# Altium PCB CPCIS_PWR_MOD_AC.pcbdoc (part 2 of 2)
Units mm, origin at the board's own origin, x right, y up, seen from the top; angles counter-clockwise.
Board outline 159 x 100 mm, 4 copper layers (Top Layer, Layer 1, Layer 2, Bottom Layer), stack 1.66 mm thick; 134 components, 89 nets, 446 pads, 0 vias.
Unrouted connection lines stored in the file: 213.
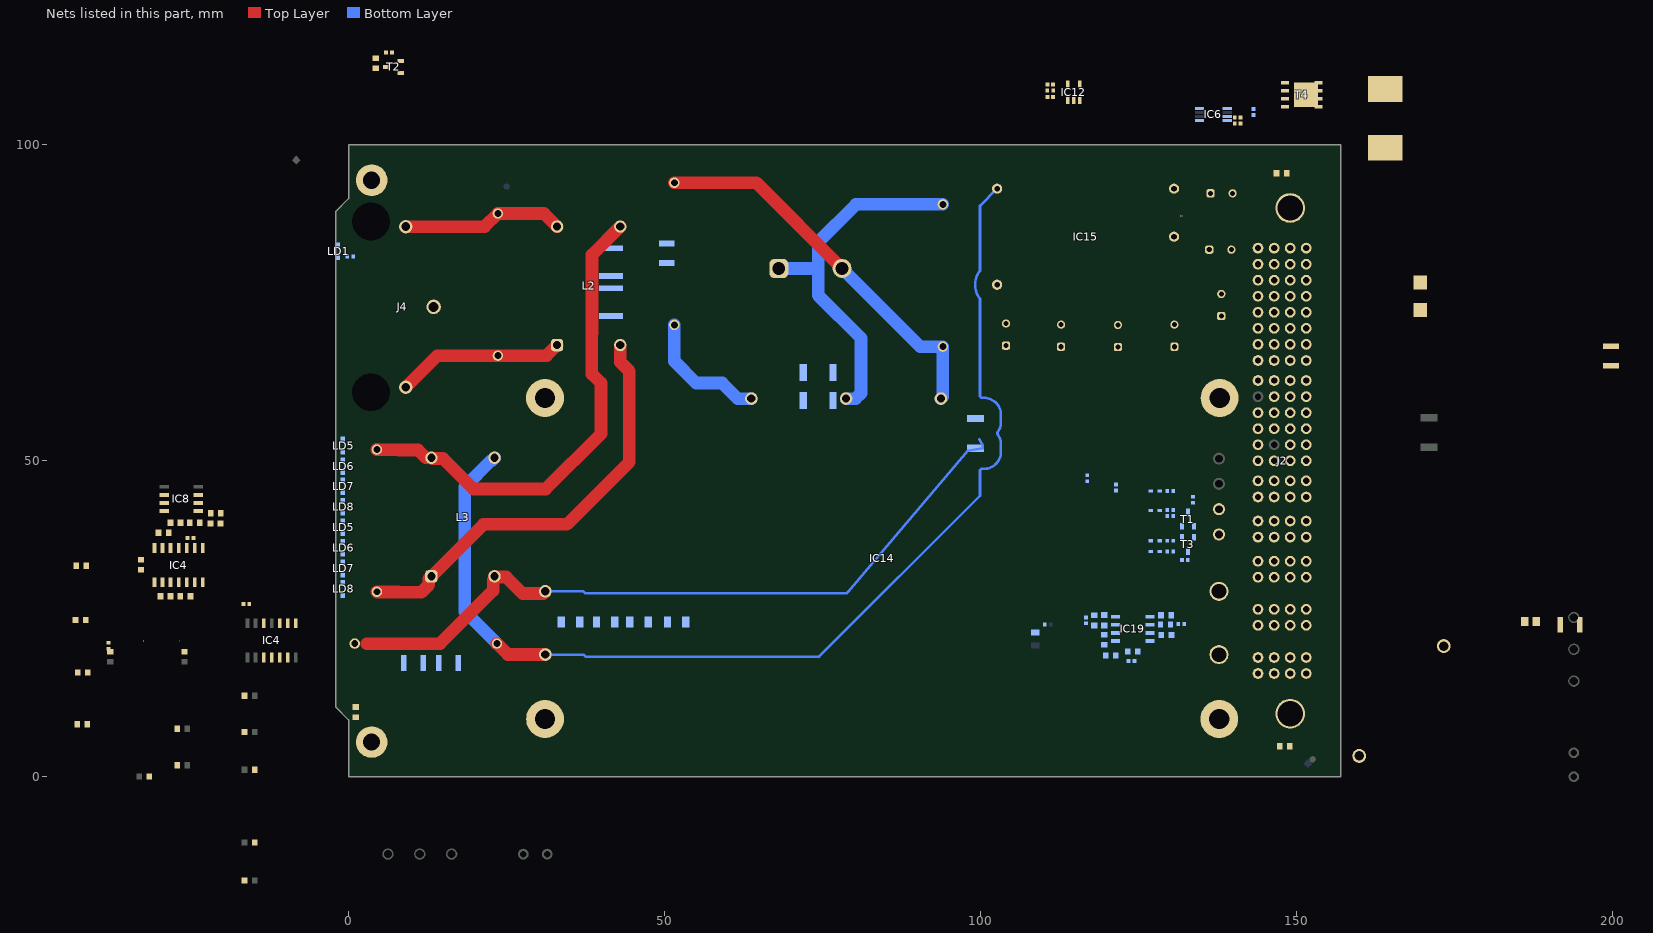
[diagram p3: the nets of this part, all layers, seen from the top]

## Part data (continued)
C6 C16 C22 C22: library part CC0402_100NF_25V_10%_X7R_YUDEN_TMK105B7104KVHF, "Non-polarised capacitor", Case=0402, Manufacturer="TAIYO YUDEN", Manufacturer Part Number=TMK105B7104KVHF, Tolerance=±10%, Voltage=25V, Author="CERN DEM JLC", Component Type=Standard, ComponentHeight=0.55mm, CreateDate=10/05/2017, HelpURL=\\cern.ch\dfs\Applications\Altium\Datasheets\CC0402_TAIYO-YUDEN_TMK105B7104KVHF.pdf, LatestRevisionDate=10/05/2017, Mounted=Yes, Part Description="SMD Multilayer Chip Ceramic Capacitor (High Dielectric Type) for Automotive / Industrial Applications", Part Number=CC0402_100NF_25V_10%_X7R_YUDEN_TMK105B7104KVHF, Pin Count=2, Sense=No, SMD=Yes, Socket=No, Status="Not Recommended", TC=X7R
C7 C23: library part CC0402_10NF_50V_10%_X7R, "Non-polarised capacitor", Case=0402, Manufacturer=GENERIC, Manufacturer1 ComponentHeight=0.55mm, Manufacturer1 Example=MURATA, Manufacturer1 Part Number=GRM155R71H103KA88D, Tolerance=±10%, Voltage=50V, Author="CERN DEM MR", Component Type=Standard, CreateDate=08/01/2016, HelpURL=\\cern.ch\dfs\Applications\Altium\Datasheets\CC0402_X7R_MURATA_GRM.pdf, LatestRevisionDate=08/01/2016, Manufacturer Part Number=CC0402_10NF_50V_10%_X7R, Mounted=Yes, Part Description="SMD Multilayer Chip Ceramic Capacitor", Part Number=CC0402_10NF_50V_10%_X7R, Pin Count=2, Sense=No, SMD=Yes, Socket=No, Status=None, TC=X7R
C26 C31: library part 885342211008, "WCAP-CSMH Multilayer Ceramic Chip Capacitor, Mid and High Voltage, size 1812, X7R Class II, 4.7nF, 2000VDC", Capacitance Tolerance=10%, Case/Size Code=1812, Insulation Resistance=10GΩ, Manufacturer="Wurth Elektronik", Operating Temperature Max=125°C, Operating Temperature Min=-55°C, Rated Voltage (DC)=2000V, Capacitance=4.7nF, Category="Multilayer Ceramic Chip Capacitors", Ceramic Type="X7R Class II", ComponentLink1Description="Website Link", ComponentLink1URL=https://www.we-online.com/redexpert/article/885342211008?ad, ComponentLink2Description="Datasheet Link", ComponentLink2URL=https://www.we-online.com/redexpert/spec/885342211008?ad, Dissipation Factor=2.5%, Height=2mm, Length=4.5mm, Manufacturer Part Number=885342211008, Match Code=WCAP-CSMH, Mount="Surface Mount", Packaging="Tape and Reel", Technical Reference=X7R1812472KB00DFCT10000, Width=3.2mm
C27 C32 C48: library part 885342209009, "WCAP-CSMH Multilayer Ceramic Chip Capacitor, Mid and High Voltage, size 1210, X7R Class II, 1nF, 2000VDC", Capacitance Tolerance=10%, Case/Size Code=1210, Insulation Resistance=10GΩ, Manufacturer="Wurth Elektronik", Operating Temperature Max=125°C, Operating Temperature Min=-55°C, Rated Voltage (DC)=2000V, Capacitance=1nF, Category="Multilayer Ceramic Chip Capacitors", Ceramic Type="X7R Class II", ComponentLink1Description="Website Link", ComponentLink1URL=https://www.we-online.com/redexpert/article/885342209009?ad, ComponentLink2Description="Datasheet Link", ComponentLink2URL=https://www.we-online.com/redexpert/spec/885342209009?ad, Dissipation Factor=2.5%, Height=1.25mm, Length=3.2mm, Manufacturer Part Number=885342209009, Match Code=WCAP-CSMH, Mount="Surface Mount", Packaging="Tape and Reel", Technical Reference=X7R1210102KB00DFCT10000, Width=2.5mm
C28 C29 C30: library part 890334026027CS, "WCAP-FTXX Film Capacitor, THT, L26 x W11 x H20mm, 1uF, 310V", Capacitance Tolerance=+/-10%, Insulation Resistance=10.00GOhm, Manufacturer="Wurth Elektronik", Operating Temperature Max=105°C, Operating Temperature Min=-40°C, Rate of Voltage Rise=170V/us, Rated Voltage (AC)=310V, Capacitance=1uF, Category="Film Capacitors", ComponentLink1Description="Website Link", ComponentLink1URL=https://www.we-online.com/redexpert/article/890334026027CS?ad, ComponentLink2Description="Datasheet Link", ComponentLink2URL=https://www.we-online.com/redexpert/spec/890334026027CS?ad, Dissipation Factor @1kHz=0.1%, Dissipation Factor @10kHz=0.7%, Height=20mm, Length=26mm, Manufacturer Part Number=890334026027CS, Match Code=WCAP-FTXX, Mount="Through Hole", Packaging=Bulk, Pitch=22.5mm, Technical Reference=MXXP225105K310ACPP36004, Width=11mm
C33 C35: library part 885342209004, "WCAP-CSMH Multilayer Ceramic Chip Capacitor, Mid and High Voltage, size 1210, X7R Class II, 33nF, 630VDC", Capacitance Tolerance=10%, Case/Size Code=1210, Insulation Resistance=3.03GΩ, Manufacturer="Wurth Elektronik", Operating Temperature Max=125°C, Operating Temperature Min=-55°C, Rated Voltage (DC)=630V, Capacitance=33nF, Category="Multilayer Ceramic Chip Capacitors", Ceramic Type="X7R Class II", ComponentLink1Description="Website Link", ComponentLink1URL=https://www.we-online.com/redexpert/article/885342209004?ad, ComponentLink2Description="Datasheet Link", ComponentLink2URL=https://www.we-online.com/redexpert/spec/885342209004?ad, Dissipation Factor=2.5%, Height=1.6mm, Length=3.2mm, Manufacturer Part Number=885342209004, Match Code=WCAP-CSMH, Mount="Surface Mount", Packaging="Tape and Reel", Technical Reference=X7R1210333K630DFCT10000, Width=2.5mm
C34: library part CC0805_2.2UF_35V_10%_X7R_TDK_CGA4J1X7R1V225K125AC, "Non-polarised capacitor", Case=0805, Manufacturer=TDK, Manufacturer Part Number=CGA4J1X7R1V225K125, Tolerance=±10%, Voltage=35V, Author="CERN DEM BC", Component Type=Standard, ComponentHeight=1.45mm, CreateDate=26.02.2016, HelpURL=\\cern.ch\dfs\Applications\Altium\Datasheets\CC0805_X7R_TDK_CGA.pdf, LatestRevisionDate=13.09.2016, Mounted=Yes, Part Description="SMD Multilayer Chip Ceramic Capacitor (Automotive Grade)", Part Number=CC0805_2.2UF_35V_10%_X7R_TDK_CGA4J1X7R1V225K125AC, Pin Count=2, Sense=No, SMD=Yes, Socket=No, Status="Not Recommended", TC=X7R
C39 C41: library part CC0402_1NF_50V_10%_X7R, "Non-polarised capacitor", Case=0402, Manufacturer=GENERIC, Manufacturer1 ComponentHeight=0.55mm, Manufacturer1 Example=PHYCOMP, Manufacturer1 Part Number=223858715623, Tolerance=±10%, Voltage=50V, Author="CERN DEM JLC", Component Type=Standard, CreateDate=03.12.2007, HelpURL=\\cern.ch\dfs\Applications\Altium\Datasheets\CC0402_X7R_PHYCOMP.pdf, LatestRevisionDate=03.12.2007, Manufacturer Part Number=CC0402_1NF_50V_10%_X7R, Mounted=Yes, Part Description="SMD Multilayer Chip Ceramic Capacitor", Part Number=CC0402_1NF_50V_10%_X7R, Pin Count=2, Sense=No, SMD=Yes, Socket=No, Status="Not Recommended", TC=X7R
C40: library part CC0603_47UF_6.3V_20%_X5R, "Non-polarised capacitor", Case=0603, Manufacturer=GENERIC, Manufacturer1 ComponentHeight=1mm, Manufacturer1 Example=MURATA, Manufacturer1 Part Number=GRM188R60J476ME15D, Tolerance=±20%, Voltage=6.3V, Author="CERN DEM JLC", Component Type=Standard, CreateDate=01.02.2018, HelpURL=\\cern.ch\dfs\Applications\Altium\Datasheets\CC0603_MURATA_GRM188R60J476ME15D.pdf, LatestRevisionDate=01.02.2018, Manufacturer Part Number=CC0603_47UF_6.3V_20%_X5R, Mounted=Yes, Part Description="SMD Multilayer Chip Ceramic Capacitor", Part Number=CC0603_47UF_6.3V_20%_X5R, Pin Count=2, Sense=No, SMD=Yes, Socket=No, Status=None, TC=X5R
C42: library part CC0603_470NF_50V_10%_X5R, "Non-polarised capacitor", Case=0603, Manufacturer=GENERIC, Manufacturer1 ComponentHeight=0.9mm, Manufacturer1 Example=TDK, Manufacturer1 Part Number=C1608X5R1H474K080, Tolerance=±10%, Voltage=50V, Author="CERN DEM MR", Component Type=Standard, CreateDate=29.02.2016, HelpURL=\\cern.ch\dfs\Applications\Altium\Datasheets\CC0603_X5R_TDK_C.pdf, LatestRevisionDate=29.02.2016, Manufacturer Part Number=CC0603_470NF_50V_10%_X5R, Mounted=Yes, Part Description="SMD Multilayer Chip Ceramic Capacitor", Part Number=CC0603_470NF_50V_10%_X5R, Pin Count=2, Sense=No, SMD=Yes, Socket=No, Status=None, TC=X5R
C44: library part 861011385023, "WCAP-AIG8 Aluminum Electrolytic Capacitor, Snap-In, D30 x H30mm, 330µF, 400V", Capacitance Tolerance=+/-20%, Leakage Current=2640µA, Manufacturer="Wurth Elektronik", Operating Temperature Max=85°C, Operating Temperature Min=-25°C, Rated Voltage (DC)=400V, Ripple Current=2050mA, Capacitance=330µF, Category="Aluminum Electrolytic Capacitors", ComponentLink1Description="Website Link", ComponentLink1URL=https://www.we-online.com/redexpert/article/861011385023?ad, ComponentLink2Description="Datasheet Link", ComponentLink2URL=https://www.we-online.com/redexpert/spec/861011385023?ad, Diameter=30mm, Dissipation Factor=20%, Endurance=2000h, Height=30mm, Manufacturer Part Number=861011385023, Match Code=WCAP-AIG8, Mount="Through Hole", Packaging=Tray, Technical Reference=ANAP300331M400DSIC2B000
C46 C47: library part 890283326009CS, "WCAP-FTBP Film Capacitor, THT, L26 x W8.5 x H17mm, 1µF, 400V", Capacitance Tolerance=+/-5%, Insulation Resistance="10000Ω x F", Manufacturer="Wurth Elektronik", Operating Temperature Max=105°C, Operating Temperature Min=-40°C, Rate of Voltage Rise=95V/µs, Rated Voltage (DC)=400V, Capacitance=1µF, Category="Film Capacitors", ComponentLink1Description="Website Link", ComponentLink1URL=https://www.we-online.com/redexpert/article/890283326009CS?ad, ComponentLink2Description="Datasheet Link", ComponentLink2URL=https://www.we-online.com/redexpert/spec/890283326009CS?ad, Dissipation Factor @1kHz=0.1%, Dissipation Factor @10kHz=0.32%, Dissipation Factor @100kHz=2.2%, Height=17mm, Length=26mm, Manufacturer Part Number=890283326009CS, Match Code=WCAP-FTBP, Mount="Through Hole", Packaging=Carton, Pitch=22.5mm, Technical Reference=MPPP225105J400DCPP35004, Width=8.5mm
D5: "Transient Voltage Suppressor Diode (Uni-Directional)", Case=SMB, Manufacturer=LITTELFUSE, Power=600W, Voltage=15V, Author="CERN DEM JLC", Bonding=No, Component Type=Standard, ComponentHeight=2.61mm, CreateDate=12.07.2017, Device=P6SMB15A, HelpURL=\\cern.ch\dfs\Applications\Altium\Datasheets\P6SMB15A.pdf, LatestRevisionDate=12.07.2017, Manufacturer Part Number=P6SMB15A, Mounted=Yes, PackageDescription="DO-214-AA/SMB Diode, Molded Body; 5.40mm L X 3.62mm W X 2.61mm H, IPC Medium Density", Part Description="Uni-directional Transient Voltage Suppressor (TVS) Diode", Part Number=P6SMB15A, Pin Count=2, PressFit=No, Sense=No, SMD=Yes, Socket=No
D6 D10 D14 D16: "ESD protection diode", Case=SOD523, Manufacturer="NXP SEMICONDUCTORS", Power=330W, Voltage=3V3, Author="CERN DEM JLC", Bonding=No, Component Type=Standard, ComponentHeight=0.65mm, CreateDate=29.11.2012, Device=PESD3V3S1UB, HelpURL=\\cern.ch\dfs\Applications\Altium\Datasheets\PESD3V3S1UB.pdf, LatestRevisionDate=29.11.2012, Manufacturer Part Number=PESD3V3S1UB, Mounted=Yes, PackageDescription="Ultra Small Outline Diode Flat Lead (SOD-523), Body; 1.2mm L X 0.8mm W X 0.65mm H, IPC Medium Density", Part Description="ESD protection diode (23kV)", Part Number=PESD3V3S1UB, Pin Count=2, PressFit=No, Sense=No, SMD=Yes, Socket=No
F1 F2: library part FUSE_SCHURTER_0034.3127_v, "Fuse", Manufacturer=SCHURTER, Manufacturer Part Number=0034.3127, Author="CERN DEM JLC", Component Type=Standard, ComponentHeight=20.5mm, CreateDate=28.01.2013, Family=Fuse, HelpURL=\\cern.ch\dfs\Applications\Altium\Datasheets\FUSE_SCHURTER_FST5X20.pdf, LatestRevisionDate=28.01.2013, Mounted=Yes, PackageDescription="5x20mm Cylindrical Fuse, SCHURTER FST5X20 Series", Part Description="Cylindrical 5x20 mm, Time-Lag T Miniature Fuse, FST Series", Part Number=FUSE_SCHURTER_0034.3127_v, Pin Count=0, PressFit=No, Sense=No, SMD=No, Socket=Yes
FTG1 FTG3: library part FIDUCIAL_TARGET_C100-200, "Fiducial Target", Author="CERN DEM JLC", Component Type="Standard (No BOM)", ComponentHeight=0mm, CreateDate=09.02.2010, Family=Fiducial, HelpURL=Undefined, LatestRevisionDate=04.04.2012, Mounted=No, PackageDescription="Round Fiducial Target, Top Layer, 1.0mm, Top Solder 2.0mm, Keepout =2.0mm", Part Description="Round Fiducial Target, Top Layer, 1.0mm, Top Solder 2.0mm, Keepout =2.0mm", Part Number=FIDUCIAL_TARGET_C100-200, Pin Count=1, Sense=No, SMD=Yes, Socket=No, Status=None
FTG2 FTG4: library part FIDUCIAL_TARGET_S100-200, "Fiducial Target", Author="CERN DEM JLC", Component Type="Standard (No BOM)", ComponentHeight=0mm, CreateDate=09.02.2010, Family=Fiducial, HelpURL=Undefined, LatestRevisionDate=04.04.2012, Mounted=No, PackageDescription="Square Fiducial Target, Top Layer, 1.0mm, Top Solder 2.0mm, Keepout =2.0mm", Part Description="Square Fiducial Target, Top Layer, 1.0mm, Top Solder 2.0mm, Keepout =2.0mm", Part Number=FIDUCIAL_TARGET_S100-200, Pin Count=1, Sense=No, SMD=Yes, Socket=No, Status=None
IC4 IC4: "Quad Operational Amplifier", Case=SOIC14, Manufacturer="TEXAS INSTRUMENTS", Author="CERN DEM JLC", Bonding=No, Component Type=Standard, ComponentHeight=1.75mm, CreateDate=09.03.2011, Device=LM339AD, HelpURL=\\cern.ch\dfs\Applications\Altium\Datasheets\LM339AD.pdf, LatestRevisionDate=09.03.2011, Manufacturer Part Number=LM339AD, Mounted=Yes, PackageDescription="SOIC 14, Pitch 1.27mm - Body 4x8.75mm, IPC Medium Density", Part Description="Quad Differential Comparator", Part Number=LM339AD, Pin Count=14, PressFit=No, Sense=No, SMD=Yes, Socket=No
IC6: "Positive High Voltage Ideal Diode Controller", Case=MSOP8, Manufacturer="LINEAR TECHNOLOGY", Author=GK, Bonding=No, Component Type=Standard, ComponentHeight=1.1mm, CreateDate=25.02.2015, Device=LTC4357CMS8#PBF, HelpURL=\\cern.ch\dfs\Applications\Altium\Datasheets\LTC4359CMS8#PBF.pdf, LatestRevisionDate=25.02.2015, Manufacturer Part Number=LTC4357CMS8#PBF, Mounted=Yes, PackageDescription="SOP, 0.65mm, Pitch; 8 Pin, 3.0mm W X 3.0mm L X 1.10mm H Body, IPC Medium Density", Part Description="Positive High Voltage Ideal Diode Controller", Part Number=LTC4357CMS8#PBF, Pin Count=8, PressFit=No, Sense=No, SMD=Yes, Socket=No
IC8: "Precision Programmable Reference", Case=SOIC8, Manufacturer="TEXAS INSTRUMENTS", Author="CERN DEM JLC", Bonding=No, Component Type=Standard, ComponentHeight=1.75mm, CreateDate=18.01.2011, Device=TL431CD, HelpURL=\\cern.ch\dfs\Applications\Altium\Datasheets\TL431CD.pdf, LatestRevisionDate=28.02.2011, Manufacturer Part Number=TL431CD, Mounted=Yes, PackageDescription="SOIC 8, Pitch 1.27mm, Body 4x5mm, IPC Medium Density", Part Description="Vref (2.5V) To 36V 2% Precision Programmable Reference", Part Number=TL431CD, Pin Count=8, PressFit=No, Sense=No, SMD=Yes, Socket=No
IC12: "Current Shunt Monitor -16V to +80V Common-Mode Range", Case=SOT23-5, Manufacturer="TEXAS INSTRUMENTS", Author="CERN DEM JLC", Bonding=No, Component Type=Standard, ComponentHeight=1.45mm, CreateDate=10.05.2010, Device=INA194AIDBVT, HelpURL=\\cern.ch\dfs\Applications\Altium\Datasheets\INA194AIDBVT.pdf, LatestRevisionDate=10.05.2010, Manufacturer Part Number=INA194AIDBVT, Mounted=Yes, PackageDescription="SOT, 0.95mm pitch; 5 pin, 1.60mm W X 2.90mm L X 1.45mm H body, IPC Medium Density", Part Description="Current Shunt Monitor -16V to +80V Common-Mode Range", Part Number=INA194AIDBVT, Pin Count=5, PressFit=No, Sense=No, SMD=Yes, Socket=No
IC14: library part PWS_TDK-LAMBDA_PFE300SA, "85-264VAC To 12VDC 300W Single Output Power Module", Manufacturer=TDK-LAMBDA, Author=GK, Bonding=No, Component Type=Standard, ComponentHeight=13.4mm, CreateDate=22.02.2018, Device=PFE300SA-12, HelpURL=\\cern.ch\dfs\Applications\Altium\Datasheets\PFE500F-12.pdf, LatestRevisionDate=22.02.2018, Manufacturer Part Number=PFE300SA-12, Mounted=Yes, PackageDescription="PFE500F Outline, Body 122x70mm, AC-DC Power Module", Part Description="85-264VAC to 12VDC 300W AC-DC Power Module", Part Number=PFE300SA-12, Pin Count=17, PressFit=No, Sense=Yes, Sense Comment=Non-washable, SMD=No, Socket=No, Status="Not Recommended", Status Comment="Sensitive (See Sensitive Field)"
IC15: library part AC_DC_IRM-02-5, "Power Supply", Manufacturer="MEAN WELL", Author=GK, Bonding=No, Component Type=Standard, ComponentHeight=15mm, CreateDate=14.02.2018, Device=IRM-02-5, HelpURL=\\cern.ch\dfs\Applications\Altium\Datasheets\IRM-02-24.pdf, LatestRevisionDate=14.02.2018, Manufacturer Part Number=IRM-02-5, Mounted=Yes, PackageDescription="IRM-02 Series, Body 33.7x22.2mm, Power Supply", Part Description="85-305VAC to 5VDC (400mA) 2W Power Supply", Part Number=IRM-02-5, Pin Count=4, PressFit=No, Sense=No, SMD=No, Socket=No, Status=None
IC19: library part CMP-0335-00043-2, "Advanced Loadshare Controller with UVLO, 4.375 to 14.25 V Supply, 0 to 70 degC, 8-pin SOIC (D), Green (RoHS & no Sb/Br)", Manufacturer="Texas Instruments", Operating Supply Current(mA)=2.5, Operating Supply(Max)(V)=14.25, Operating Supply(Min)(V)=4.375, Rating=Catalog, Startup Current(uA)=2500, Code_JEDEC=MS-012AA, ComponentLink1Description=Datasheet, ComponentLink1URL=http://www.ti.com/general/docs/lit/getliterature.tsp?genericPartNumber=UCC39002&fileType=pdf, DatasheetVersion=SLUS495H, Eco-Plan="Green (RoHS & no Sb/Br)", Mounting Technology="Surface Mount", PackageDescription="8-Pin Plastic Small Outline Integrated Circuit, 4.9 x 3.9 mm, Pitch 1.27 mm Pitch", PackageReference=D0008A, PackageVersion="revM, Jun-2011", PartNumber=UCC39002DR, Share Bus=Single-Ended, SubFamily="Load Share", UVLO=TRUE
J2: library part AMPHENOL_51939-667, "Thru-Hole, Lead 3.43mm, PowerBlade Right Angled Power Connector 3ACP 2P 24S 4P Contacts", Manufacturer=AMPHENOL, Manufacturer Part Number=51939-667, Author="CERN DEM JLC", ComponentHeight=12.57mm, Component Type=Standard, CreateDate=05.03.2019, Family=PwrBlade, HelpURL=\\cern.ch\dfs\Applications\Altium\Datasheets\AMPHENOL_51939-667.pdf, LatestRevisionDate=05.03.2019, Mounted=Yes, Part Description="Right Angle PowerBlade Power Connector 3ACP + 2P + 24S + 4P Contacts", Part Number=AMPHENOL_51939-667, Pin Count=33, PressFit=No, Sense=No, SMD=No, Socket=No, Status=None
J4: library part SCHURTER_GSF1.2202.31, "Connector 3 Male 2P+ 2 Fuse Holder", Manufacturer=SCHURTER, Manufacturer Part Number=GSF1.2201.31, Part Number=SCHURTER_GSF1.2201.31, Author="CERN DEM JMW", Component Type=Standard, ComponentHeight=24.45mm, CreateDate=20.09.2012, Family=IEC, HelpURL=\\cern.ch\dfs\Applications\Altium\Datasheets\SCHURTER_GSF1.2202.31.pdf, LatestRevisionDate=20.09.2012, Mounted=Yes, Part Description="10A 250Vac Sandwich Panel Mount (1.5mm) Inlet IEC Connector With 2 Fuseholder 5x20mm And Snap-in PCB Mount", Pin Count=3, PressFit=No, Sense=No, SMD=No, Socket=No, Status=None
L2 L3: library part 744869161063, "WE-FCLP THT Common Mode Power Line Choke, FT16H, 6mH, 2.4A, 0.22Ω", Case/Size Code=FT16H, DC Resistance Max=0.22Ω, Insulation Test Voltage=1.5kV, Leakage Inductance=120µH, Manufacturer="Wurth Elektronik", Operating Temperature Max=125°C, Operating Temperature Min=-40°C, Rated Current=2.4A, Rated Voltage (AC)=250V, Category="Common Mode Chokes", ComponentLink1Description="Manufacturer Link", ComponentLink1URL=https://www.we-online.com/redexpert/article/744869161063?ad, ComponentLink2Description=Datasheet, ComponentLink2URL=https://www.we-online.com/redexpert/spec/744869161063?ad, Height=14.5mm, Inductance=6mH, Length=24.5mm, Manufacturer Part Number=744869161063, Match Code=WE-FCLP, Material=MnZn, Mount="Through Hole", Packaging=Tray, Width=15.5mm
LD1 LD5 LD5 LD6 LD6 LD7 LD7 LD8 LD8: library part LED_AVAGO_HSME-C120, "LED Green 1C 2A", Manufacturer="AVAGO TECHNOLOGIES", Manufacturer Part Number=HSME-C120, Author="CERN DEM JMW", Bonding=No, Color=Green, Component Type=Standard, ComponentHeight=0.7mm, ComponentLink1Description="Design Guide", ComponentLink1URL=\\cern.ch\dfs\Applications\Altium\Datasheets\LED_AVAGO_HSME-C110_DESIGN-GUIDE.pdf, CreateDate=22.07.2009, HelpURL=\\cern.ch\dfs\Applications\Altium\Datasheets\LED_AVAGO_HSME-C120.pdf, LatestRevisionDate=20.06.2012, Mounted=Yes, PackageDescription="Green Chip LED, 2-Leads, Body 1.7x1.1mm, Side Emitting Package", Part Description="High Performance Right Angle Chip Green LED", Part Number=LED_AVAGO_HSME-C120, Pin Count=2, PressFit=No, Sense=No, SMD=Yes, Socket=No
R3 R8 R28 R35 R45: library part R0402_10K_1%_0.0625W_100PPM, "Resistor - 1%", Case=0402, Manufacturer=GENERIC, Manufacturer1 ComponentHeight=0.4mm, Manufacturer1 Example="YAGEO PHYCOMP", Manufacturer1 Part Number=232270671003L, Power=0.0625W, Tolerance=±1%, Author="CERN DEM JLC", Component Type=Standard, HelpURL=\\cern.ch\dfs\Applications\Altium\Datasheets\R0402_Phycomp_RC0402.pdf, Manufacturer Part Number=R0402_10K_1%_0.0625W_100PPM, Mounted=Yes, Part Description="General Purpose Thick Film Chip Resistor", Part Number=R0402_10K_1%_0.0625W_100PPM, Pin Count=2, SMD=Yes, Socket=No, TC=±100ppm/°C
  R3 R8 R28 R35: CreateDate=2007-12-03, LatestRevisionDate=2012-10-17, Status="Not recommended", Table="Resistors SMD"
  R45: CreateDate=03/12/2007, LatestRevisionDate=17/10/2012, PressFit=No, Sense=No, Status="Not Recommended"
R9 R20 R22 R36: library part R0402_49R9_1%_0.0625W_100PPM, "Resistor - 1%", Case=0402, Manufacturer=GENERIC, Manufacturer1 ComponentHeight=0.4mm, Manufacturer1 Example="YAGEO PHYCOMP", Manufacturer1 Part Number="232270674999L or RC0402FR-0749R9L", Power=0.0625W, Tolerance=±1%, Author="CERN DEM JLC", Component Type=Standard, CreateDate=2012-10-24, HelpURL=\\cern.ch\dfs\Applications\Altium\Datasheets\R0402_Phycomp_RC0402.pdf, LatestRevisionDate=2012-10-24, Manufacturer Part Number=R0402_49R9_1%_0.0625W_100PPM, Mounted=Yes, Part Description="General Purpose Thick Film Chip Resistor", Part Number=R0402_49R9_1%_0.0625W_100PPM, Pin Count=2, SMD=Yes, Socket=No, Status="Not recommended", Table="Resistors SMD", TC=±100ppm/°C
R19 R29 R30: library part R0402_1K_1%_0.0625W_100PPM, "Resistor - 1%", Case=0402, Manufacturer=GENERIC, Manufacturer1 ComponentHeight=0.4mm, Manufacturer1 Example="YAGEO PHYCOMP", Manufacturer1 Part Number=232270671002L, Power=0.0625W, Tolerance=±1%, Author="CERN DEM JLC", Component Type=Standard, CreateDate=03.12.2007, HelpURL=\\cern.ch\dfs\Applications\Altium\Datasheets\R0402_Phycomp_RC0402.pdf, LatestRevisionDate=17.10.2012, Manufacturer Part Number=R0402_1K_1%_0.0625W_100PPM, Mounted=Yes, Part Description="General Purpose Thick Film Chip Resistor", Part Number=R0402_1K_1%_0.0625W_100PPM, Pin Count=2, PressFit=No, Sense=No, SMD=Yes, Socket=No, Status="Not Recommended", TC=±100ppm/°C
R23: library part R4527_0R001_1%_2W_75PPM, "Resistor - 1%", Case=4527, Manufacturer="VISHAY DALE", Manufacturer Part Number=WSR21L000FEA, Power=2W, Tolerance=±1%, Author="CERN DEM JLC", Component Type=Standard, ComponentHeight=2.53mm, CreateDate=22/03/2011, HelpURL=\\cern.ch\dfs\Applications\Altium\Datasheets\R4527_VISHAY_WSR2.pdf, LatestRevisionDate=22/03/2011, Mounted=Yes, Part Description="Surface Mount Power Metal Strip® Resistor", Part Number=R4527_0R001_1%_2W_75PPM, Pin Count=2, PressFit=No, Sense=No, SMD=Yes, Socket=No, Status=None, TC=±75ppm/°C
R24: library part R0805_0R05_1%_0.25W_300PPM, "Resistor - 1%", Case=0805, Manufacturer=GENERIC, Manufacturer1 ComponentHeight=0.60mm, Manufacturer1 Example="YAGEO PHYCOMP", Manufacturer1 Part Number="235051117500L or RL0805FR-7W0R05L", Power=0.25W, Tolerance=±1%, Author="CERN DEM MR", Component Type=Standard, CreateDate=31.03.2016, HelpURL=\\cern.ch\dfs\Applications\Altium\Datasheets\R0805_Phycomp_RL0805.pdf, LatestRevisionDate=31.03.2016, Manufacturer Part Number=R0805_0R05_1%_0.25W_300PPM, Mounted=Yes, Part Description="Low Resistance Thick Film Chip Resistor", Part Number=R0805_0R05_1%_0.25W_300PPM, Pin Count=2, PressFit=No, Sense=No, SMD=Yes, Socket=No, Status="Not Recommended", TC=±300ppm/°C
R33 R72: library part R0402_20K_1%_0.0625W_100PPM, "Resistor - 1%", Case=0402, Manufacturer=GENERIC, Manufacturer1 ComponentHeight=0.4mm, Manufacturer1 Example="YAGEO PHYCOMP", Manufacturer1 Part Number=232270672003L, Power=0.0625W, Tolerance=±1%, Author="CERN DEM JLC", Component Type=Standard, CreateDate=03.12.2007, HelpURL=\\cern.ch\dfs\Applications\Altium\Datasheets\R0402_Phycomp_RC0402.pdf, LatestRevisionDate=17.10.2012, Manufacturer Part Number=R0402_20K_1%_0.0625W_100PPM, Mounted=Yes, Part Description="General Purpose Thick Film Chip Resistor", Part Number=R0402_20K_1%_0.0625W_100PPM, Pin Count=2, PressFit=No, Sense=No, SMD=Yes, Socket=No, Status="Not Recommended", TC=±100ppm/°C
R37 R38 R39 R40 R49: library part R0603_0R_JUMPER, "Resistor", Case=0603, Manufacturer=GENERIC, Manufacturer1 ComponentHeight=0.55mm, Manufacturer1 Example="NIC COMPONENT", Manufacturer1 Part Number=NRC06Z0, Author="CERN DEM JLC", Component Type=Standard, CreateDate=03.12.2007, HelpURL=\\cern.ch\dfs\Applications\Altium\Datasheets\R0603_NIC_NRC.pdf, LatestRevisionDate=13.03.2008, Manufacturer Part Number=R0603_0R_JUMPER, Mounted=Yes, Part Description="1A (0.05R Max DC Resistance) Zero Ohm Jumper", Part Number=R0603_0R_JUMPER, Pin Count=2, PressFit=No, Sense=No, SMD=Yes, Socket=No, Status=Preferred
R41: library part R0603_91R_1%_0.1W_100PPM, "Resistor - 1%", Case=0603, Manufacturer=GENERIC, Manufacturer1 ComponentHeight=0.55mm, Manufacturer1 Example="NIC COMPONENT", Manufacturer1 Part Number=NRC06F91R0TRF, Power=0.1W, Tolerance=±1%, Author="CERN DEM JLC", Component Type=Standard, CreateDate=03.12.2007, HelpURL=\\cern.ch\dfs\Applications\Altium\Datasheets\R0603_NIC_NRC.pdf, LatestRevisionDate=13.03.2008, Manufacturer Part Number=R0603_91R_1%_0.1W_100PPM, Mounted=Yes, Part Description="General Purpose Thick Film Chip Resistor", Part Number=R0603_91R_1%_0.1W_100PPM, Pin Count=2, PressFit=No, Sense=No, SMD=Yes, Socket=No, Status=Preferred, TC=±100ppm/°C
R42 R42 R43 R44 R55 R55 R57 R57 R59 R59: library part R0603_1K_1%_0.1W_100PPM, "Resistor - 1%", Case=0603, Manufacturer=GENERIC, Manufacturer1 ComponentHeight=0.55mm, Manufacturer1 Example="NIC COMPONENT", Manufacturer1 Part Number=NRC06F1001TRF, Power=0.1W, Tolerance=±1%, Author="CERN DEM JLC", Component Type=Standard, CreateDate=03.12.2007, HelpURL=\\cern.ch\dfs\Applications\Altium\Datasheets\R0603_NIC_NRC.pdf, LatestRevisionDate=13.03.2008, Manufacturer Part Number=R0603_1K_1%_0.1W_100PPM, Mounted=Yes, Part Description="General Purpose Thick Film Chip Resistor", Part Number=R0603_1K_1%_0.1W_100PPM, Pin Count=2, PressFit=No, Sense=No, SMD=Yes, Socket=No, Status=Preferred, TC=±100ppm/°C
R46 R46 R47 R47 R48 R48 R56 R56 R58 R58 R60 R60: library part R0603_10K_1%_0.1W_100PPM, "Resistor - 1%", Case=0603, Manufacturer=GENERIC, Manufacturer1 ComponentHeight=0.55mm, Manufacturer1 Example="NIC COMPONENT", Manufacturer1 Part Number=NRC06F1002TRF, Power=0.1W, Tolerance=±1%, Author="CERN DEM JLC", Component Type=Standard, CreateDate=03.12.2007, HelpURL=\\cern.ch\dfs\Applications\Altium\Datasheets\R0603_NIC_NRC.pdf, LatestRevisionDate=13.03.2008, Manufacturer Part Number=R0603_10K_1%_0.1W_100PPM, Mounted=Yes, Part Description="General Purpose Thick Film Chip Resistor", Part Number=R0603_10K_1%_0.1W_100PPM, Pin Count=2, PressFit=No, Sense=No, SMD=Yes, Socket=No, Status=Preferred, TC=±100ppm/°C
R50 R54: library part R0603_16K_1%_0.1W_100PPM, "Resistor - 1%", Case=0603, Manufacturer=GENERIC, Manufacturer1 ComponentHeight=0.55mm, Manufacturer1 Example="NIC COMPONENT", Manufacturer1 Part Number=NRC06F1602TRF, Power=0.1W, Tolerance=±1%, Author="CERN DEM JLC", Component Type=Standard, CreateDate=03.12.2007, HelpURL=\\cern.ch\dfs\Applications\Altium\Datasheets\R0603_NIC_NRC.pdf, LatestRevisionDate=13.03.2008, Manufacturer Part Number=R0603_16K_1%_0.1W_100PPM, Mounted=Yes, Part Description="General Purpose Thick Film Chip Resistor", Part Number=R0603_16K_1%_0.1W_100PPM, Pin Count=2, PressFit=No, Sense=No, SMD=Yes, Socket=No, Status=Preferred, TC=±100ppm/°C
R51 R52: library part R0603_270R_1%_0.1W_100PPM, "Resistor - 1%", Case=0603, Manufacturer=GENERIC, Manufacturer1 ComponentHeight=0.55mm, Manufacturer1 Example="NIC COMPONENT", Manufacturer1 Part Number=NRC06F2700TRF, Power=0.1W, Tolerance=±1%, Author="CERN DEM JLC", Component Type=Standard, CreateDate=03.12.2007, HelpURL=\\cern.ch\dfs\Applications\Altium\Datasheets\R0603_NIC_NRC.pdf, LatestRevisionDate=13.03.2008, Manufacturer Part Number=R0603_270R_1%_0.1W_100PPM, Mounted=Yes, Part Description="General Purpose Thick Film Chip Resistor", Part Number=R0603_270R_1%_0.1W_100PPM, Pin Count=2, PressFit=No, Sense=No, SMD=Yes, Socket=No, Status=Preferred, TC=±100ppm/°C
R53: library part R0402_470R_1%_0.0625W_100PPM, "Resistor - 1%", Case=0402, Manufacturer=GENERIC, Manufacturer1 ComponentHeight=0.4mm, Manufacturer1 Example="YAGEO PHYCOMP", Manufacturer1 Part Number=232270674701L, Power=0.0625W, Tolerance=±1%, Author="CERN DEM JLC", Component Type=Standard, CreateDate=03.12.2007, HelpURL=\\cern.ch\dfs\Applications\Altium\Datasheets\R0402_Phycomp_RC0402.pdf, LatestRevisionDate=17.10.2012, Manufacturer Part Number=R0402_470R_1%_0.0625W_100PPM, Mounted=Yes, Part Description="General Purpose Thick Film Chip Resistor", Part Number=R0402_470R_1%_0.0625W_100PPM, Pin Count=2, PressFit=No, Sense=No, SMD=Yes, Socket=No, Status="Not Recommended", TC=±100ppm/°C
R61 R62 R63 R64: library part R1206_100K_1%_0.25W_100PPM, "Resistor - 1%", Case=1206, Manufacturer=GENERIC, Manufacturer1 ComponentHeight=0.65mm, Manufacturer1 Example="NIC COMPONENT", Manufacturer1 Part Number=NRC12F1003TRF, Power=0.25W, Tolerance=±1%, Author="CERN DEM JLC", Component Type=Standard, CreateDate=03.12.2007, HelpURL=\\cern.ch\dfs\Applications\Altium\Datasheets\R1206_NIC_NRC.pdf, LatestRevisionDate=13.03.2008, Manufacturer Part Number=R1206_100K_1%_0.25W_100PPM, Mounted=Yes, Part Description="General Purpose Thick Film Chip Resistor", Part Number=R1206_100K_1%_0.25W_100PPM, Pin Count=2, PressFit=No, Sense=No, SMD=Yes, Socket=No, Status=Preferred, TC=±100ppm/°C
R65: library part R0402_100K_1%_0.0625W_100PPM, "Resistor - 1%", Case=0402, Manufacturer=GENERIC, Manufacturer1 ComponentHeight=0.4mm, Manufacturer1 Example="YAGEO PHYCOMP", Manufacturer1 Part Number=232270671004L, Power=0.0625W, Tolerance=±1%, Author="CERN DEM JLC", Component Type=Standard, CreateDate=03/12/2007, HelpURL=\\cern.ch\dfs\Applications\Altium\Datasheets\R0402_Phycomp_RC0402.pdf, LatestRevisionDate=17/10/2012, Manufacturer Part Number=R0402_100K_1%_0.0625W_100PPM, Mounted=Yes, Part Description="General Purpose Thick Film Chip Resistor", Part Number=R0402_100K_1%_0.0625W_100PPM, Pin Count=2, PressFit=No, Sense=No, SMD=Yes, Socket=No, Status="Not Recommended", TC=±100ppm/°C
R66 R67 R69: library part RES_2010_51R, "Fusible resistor 47R 0.5W", Case=2010, Manufacturer=KOA, Manufacturer Part Number=RF732HTTE470J, Power=0.75W, Tolerance=±5%, Author=GK, Component Type=Standard, ComponentHeight=0.65mm, CreateDate=2016-03-13, HelpURL=\\cern.ch\dfs\Applications\Altium\Datasheets\R2010_YAGEO_RC2010.pdf, LatestRevisionDate=2015-12-04, Mounted=Yes, Part Description="Fusible resistor 47R 0.5W", Part Number="Fusible resistor 47R 0.5W", Pin Count=2, Sense=No, SMD=Yes, Socket=No, Status="Not recommended", TC=±200ppm/°C
R68: library part RES_2010_51R, "Resistor 51R, 0.75W 5%", Case=2010, Manufacturer=VISHAY, Manufacturer Part Number=CRCW201051R0JNEF, Part Number=R2010_51R_5%_0.75W_200PPM, Power=0.75W, Tolerance=±5%, Author=GK, Component Type=Standard, ComponentHeight=0.65mm, CreateDate=2016-03-13, HelpURL=\\cern.ch\dfs\Applications\Altium\Datasheets\R2010_YAGEO_RC2010.pdf, LatestRevisionDate=2015-12-04, Mounted=Yes, Part Description="General Purpose Thick Film Chip Resistor", Pin Count=2, Sense=No, SMD=Yes, Socket=No, Status="Not recommended", TC=±200ppm/°C
RL1: library part REL_TYCO-SCHRACK_V23092-A1005-A202, "SNR Slim PCB Relay Form A (1 NO Contact)", Manufacturer="TYCO SCHRACK", Manufacturer Part Number="V23092-A1005-A202 or 8-1415067-1", Author="CERN DEM JLC", Component Type=Standard, ComponentHeight=15mm, CreateDate=28.04.2009, HelpURL=\\cern.ch\dfs\Applications\Altium\Datasheets\REL_TYCO-SCHRACK_SNR.pdf, LatestRevisionDate=04.09.2018, Mounted=Yes, PackageDescription="5 Leads, Body 28.0 x 5mm, Slim PCB Relay SNR Series", Part Description="SPST General Purpose  Slim PCB Relay, SNR Series", Part Number=REL_TYCO-SCHRACK_V23092-A1005-A202, Pin Count=4, PressFit=No, Sense=Yes, Sense Comment="Cleaning Limitation", SMD=No, Socket=No, Status="Not Recommended", Status Comment="Sensitive (See Sensitive Field)"
RL2: library part REL_TYCO-SCHRACK_V23092-A1005-A301, "SNR Slim PCB Relay Form C (1 CO Contact)", Manufacturer="TYCO SCHRACK", Manufacturer Part Number="V23092-A1005-A301 or 1393236-2", Author="CERN DEM JLC", Component Type=Standard, ComponentHeight=15mm, CreateDate=28.01.2009, HelpURL=\\cern.ch\dfs\Applications\Altium\Datasheets\REL_TYCO-SCHRACK_SNR.pdf, LatestRevisionDate=04.09.2018, Mounted=Yes, PackageDescription="5 Leads, Body 28.0 x 5mm, Slim PCB Relay SNR Series", Part Description="SPDT General Purpose  Slim PCB Relay, SNR Series", Part Number=REL_TYCO-SCHRACK_V23092-A1005-A301, Pin Count=5, PressFit=No, Sense=Yes, Sense Comment="Cleaning Limitation", SMD=No, Socket=No, Status="Not Recommended", Status Comment="Sensitive (See Sensitive Field)"
ST2: library part SCHROFF_PANEL_3U_8HP_CPCIS_PSU, "Schroff 8HP 4U EUROCARD Panel with ejector", Manufacturer=Schroff, Manufacturer Part Number=20848589, Manufacturer Part Number 2=20848589
T1 T2 T3: "N-CHANNEL MOSFET WITH DIODE", Case=SOT23-3, Manufacturer="ON SEMICONDUCTOR", Author="CERN DEM JLC", Bonding=No, Component Type=Standard, ComponentHeight=1.11mm, CreateDate=23.03.2009, Device=BSS138LT1G, HelpURL=\\cern.ch\dfs\Applications\Altium\Datasheets\BSS138LT1G.pdf, LatestRevisionDate=23.03.2009, Manufacturer Part Number=BSS138LT1G, Mounted=Yes, PackageDescription="SOT23 3-Leads, Pitch 0.95mm - Body 1.4x3mm, IPC Medium Density", Part Description="50V 200mA N-Channel Enhancement Mode Field-Effect Transistor", Part Number=BSS138LT1G, Pin Count=3, PressFit=No, Sense=No, SMD=Yes, Socket=No
T4: library part Q_SIRA80DP-T1-RE3, "100A N-Channel 30-V (D-S) MOSFET", Case=SOIC8, Manufacturer="VISHAY SILICONIX", Part Number=SI7898DP-T1-E3, Author=GK, Bonding=No, Component Type=Standard, ComponentHeight=1.12mm, CreateDate=01.01.2020, Device=SIRA80DP-T1-RE3, HelpURL=\\cern.ch\dfs\Applications\Altium\Datasheets\SI7898DP-T1-E3.pdf, LatestRevisionDate=01.01.202005.03.2013, Manufacturer Part Number=SIRA80DP-T1-RE3, Mounted=Yes, PackageDescription="SOIC, 1.27mm Pitch, 8 Pin, Body 5.89mm W X 4.9mm L X 1.12mm H, PowerPAK® SO-8, (SINGLE)", Part Description="100A N-Channel 30-V (D-S) MOSFET", Pin Count=8, PressFit=No, Sense=No, SMD=Yes, Socket=No
NT1 NT2 NT3 NT4: Author="CERN DEM JLC", Component Type="Net Tie", ComponentHeight=0mm, CreateDate=22.03.2011, Family="Net Tie", HelpURL=Undefined, LatestRevisionDate=22.03.2011, Mounted=No, PackageDescription="2 Plated Through Hole For Coaxial Cable Link: Hole Dia.=1.4mm Pad Dia.=2.5mm", Part Description="Net Tie (2 Nets)", Part Number="Net Tie", Pin Count=2, Sense=No, SMD=No, Socket=No, Status=None

## Nets (pads, with @x,y where several pads share a name; then routed paths per layer and width w, separated by ;. In a path a pad name is that pad's centre, name@x,y a point inside that pad or via, vN(x,y) a via of type N, cw(c..) or ccw(c..) an arc to the next point about the centre after c; other vN are vias at no path point)
0.825V: IC4.5@-28.146,36.193 R48.1@-28.463,38.611 R60.2@-37.703,19.809
0.4125V: IC4.9@-29.416,30.793 R56.2@-32.829,32.768 R58.1@-29.764,28.584
1.65V: IC4.5@-10.888,18.897 R47.2@-16.458,7.097 R48.1@-14.858,-10.403
1.2375V: IC4.9@-9.618,24.297 R56.2@-27.103,7.585 R58.1@-31.53,0.063
5VSTBY: J2.C5 J2.C6 J2.D6 R24.2 R33.1
+12V_Sense: J2.A3 R41.1
+12V_SenseADJ: IC14.6 IC19.5 R41.2
AC_L: B5.1 J2.P1
AC_N: B6.1 J2.P2
ADDR_0: J2.C4
ADDR_1: J2.B4
ADDR_2: J2.A4
CS_A+: NT1.1 R51.1
CS_A-: NT2.2 R52.1
CUR_SHARE: D6.1 J2.B2 R36.2 R49.1
DC_IN: J2.P4
DC_RTN: J2.P5
GND: C1.2 C2.2 C3.2 C4.2 C5.2 C6.1 C7.1 C8.2 C9.2 C16.1 C22.1 C23.1 C34.1 C35.2 D5.2 D6.2 D10.2 D14.2 D16.2 IC4.12 IC6.5 IC8.2 IC8.3 IC8.6 IC8.7 IC12.2 IC14.3 IC15.3 J2.A6 J2.B6 J2.C3 J2.D4 J2.P3 J2.P6 J2.P7 R37.1 R38.1 R39.2 R40.2 R53.2 R60.2@-25.003,28.559 R72.1 T1.2 T2.2 T3.2
GNDE: C26.1 C27.1 C31.2 C32.2 C33.1 C35.1 C48.1 IC14.18 J4.2
i_adc: IC4.4 IC4.6 IC4.8 IC4.10 IC12.1 R45.2
i_adc1: C7.2 R45.1
LED_1/8: LD8.1@-0.932,30.724 R59.2@-42.917,8.335
LED_2/8: LD7.1@-0.932,33.967 R57.2@-42.847,16.512
LED_3/8: LD6.1@-0.932,37.254 R55.2@-43.188,24.826
LED_4/8: LD5.1@-0.932,40.502 R42.2@-43.083,33.377
LED_5/8: LD8.1@-0.932,43.752 R59.2@-25.953,19.809
LED_6/8: LD7.1@-0.932,46.957 R57.2@-27.103,1.835
LED_7/8: LD6.1@-0.932,50.154 R55.2@-16.458,-16.403
LED_8/8: LD5.1@-0.932,53.42 R42.2@-16.458,12.847
m_CUR_SHARE: R36.1
m_P_RST: R29.1 T3.1
m_PS_ON_N: R3.1 R9.1 T1.1
m_PWRFAIL_N: R20.1
MAINS_L: C27.2 C30.2 IC14.1 L3.4 R61.1 R69.1 | length 116.5
  Top Layer w2: 2.905,21.086 14.493,21.086 22.882,29.475 22.882,31.165 23.11,31.393 L3.4@23.11,31.722 23.155,31.722 23.251,31.627 24.941,31.627 27.553,29.014 30.804,29.014 IC14.1@31.14,29.35
  Bottom Layer w0.4: IC14.1@31.14,29.35 37.156,29.35 37.492,29.014 78.795,29.014 79.029,29.248 98.037,51.631 100.337,51.961 100.337,52.473 99.823,53.431
MAINS_N: C30.1 C32.1 IC14.2 IC15.1 L3.3 R64.1 | length 175.7
  Top Layer w2: C30.1@23.487,21.086 25.223,19.35 IC14.2@31.14,19.35
  Bottom Layer w0.4: IC14.2@31.14,19.35 37.171,19.35 37.508,19.014 74.464,19.014 99.924,44.473 99.924,48.497 100.158,48.731 100.537,48.731 ccw(c100.537,51.431) 103.237,51.431 103.237,52.581 ccw(c100.537,52.581) 102.75,54.128 cw(c103.079,54.356) 102.75,54.584 ccw(c100.537,56.131) 103.237,56.131 103.237,57.281 ccw(c100.537,57.281) 100.537,59.981 100.158,59.981 99.924,60.215 99.924,75.649 cw(c102.632,77.866) 99.924,80.082 99.924,90.357 IC15.1@102.632,93.066
  Bottom Layer w2: L3.3@23.11,50.472 22.677,50.039 22.544,50.039 18.407,45.902 18.407,26.166 C30.1@23.487,21.086
NetC26_2: C26.2 C29.2 L2.4 L3.1 | length 68.1
  Top Layer w2: C29.2@4.496,29.288 4.533,29.252 4.811,29.252 7.899,29.252 7.945,29.205 11.525,29.205 12.697,30.377 12.697,31.309 L3.1@13.11,31.722 ; L3.1@13.11,31.722 21.342,39.955 34.554,39.955 44.447,49.849 44.447,64.17 43.003,65.615 L2.4@43.003,68.315
NetC28_1: C28.1 J4.3 L2.2 | length 25.7
  Top Layer w2: J4.3@9.068,87.054 21.545,87.054 C28.1@23.632,89.14 30.928,89.14 L2.2@33.003,87.065
NetC28_2: C28.2 J4.1 L2.1 | length 26.7
  Top Layer w2: J4.1@9.068,61.654 9.095,61.654 14.081,66.64 C28.2@23.632,66.64 31.328,66.64 L2.1@33.003,68.315
NetC29_1: C29.1 C31.1 L2.3 L3.2 | length 76.9
  Top Layer w2: C29.1@4.496,51.788 4.533,51.752 4.811,51.752 7.895,51.752 7.942,51.705 10.998,51.705 12.231,50.472 13.155,50.472 13.251,50.377 14.941,50.377 19.784,45.533 31.202,45.533 39.947,54.279 39.947,62.306 38.503,63.751 38.503,70.179 38.528,70.204 38.528,82.59 L2.3@43.003,87.065
NetC39_1: C39.1 IC19.2 R50.1 R51.2
NetC40_1: C40.1 IC19.6
NetC40_2: C40.2 R53.1
NetC41_1: C41.1 IC19.8 R54.1
NetC41_2: C41.2 IC19.1 R52.2 R54.2
NetC44_1: C44.1 C47.2 IC14.16 R66.1 R67.1 | length 57.9
  Bottom Layer w2: C44.1@68.097,80.439 74.326,80.439 ; IC14.16@78.74,59.85 80.251,59.85 81.097,60.696 81.097,69.415 74.326,76.186 74.326,80.439 ; C47.2@94.043,90.579 80.277,90.579 74.326,84.628 74.326,80.439
NetC44_2: C44.2 C46.1 C47.1 C48.2 IC14.15 | length 61.6
  Top Layer w2: C46.1@51.556,94.001 64.536,94.001 C44.2@78.097,80.439
  Bottom Layer w2: C44.2@78.097,80.439 90.457,68.079 C47.1@94.043,68.079 94.043,60.153 IC14.15@93.74,59.85
NetC46_2: C46.2 IC14.17 R66.2 R67.2 | length 20.4
  Bottom Layer w2: C46.2@51.556,71.501 51.556,65.759 55.009,62.306 59.125,62.306 61.581,59.85 IC14.17@63.74,59.85
NetIC4_1: IC4.1@-23.066,36.193 R55.1@-41.588,24.826
NetIC4_2: IC4.2@-24.336,36.193 R42.1@-41.483,33.377
NetIC4_7: IC4.7@-30.686,36.193 R48.2@-30.063,38.611 R56.1@-32.829,34.368
NetIC4_11: IC4.11@-26.876,30.793 R58.2@-28.164,28.584 R60.1@-26.603,28.559
NetIC4_13: IC4.13@-24.336,30.793 R59.1@-41.317,8.335
NetIC4_14: IC4.14@-23.066,30.793 R57.1@-41.247,16.512
NetIC6_4: IC6.4 T4.4
NetIC12_3: IC12.3 NT3.1
NetIC12_4: IC12.4 NT4.1
NetIC15_2: IC15.2 R69.2
NetIC19_7: IC19.7 R49.2
NetJ2_MTG1: J2.MTG1 R39.1
NetJ2_MTG2: J2.MTG2 R40.1
NetLD1_1: LD1.1 R8.1 R29.2 T2.3
NetLD1_2: LD1.2 R30.1
NetR22_1: R22.1 R28.1 T3.3
NetR37_2: R37.2 ST2.1
NetR38_2: R38.2 ST2.0
NetR46_1: R46.1@-14.858,1.097 R47.2@-28.174,40.212
NetR46_2: R46.2@-25.123,40.18 R47.1@-26.574,40.212
NetR61_2: R61.2 R62.2
NetR62_1: R62.1 R63.1
NetR63_2: R63.2 R64.2
P2V5REF: IC8.1 IC8.8 R43.1 R44.1 R46.1@-23.523,40.18
P3V3: C6.2 IC12.5 R3.2 R8.2 R19.2 R28.2 R30.2 R35.1
P5V0SB: C22.2 IC4.3 IC15.4 LD5.2 LD6.2 LD7.2 LD8.2 R43.2 R44.2
P12V0: C1.1 C2.1 C3.1 C4.1 C5.1 C8.1 C9.1 C33.2 C34.2 IC14.4 NT3.2 R23.1
P12V0_OUT: C16.2 D5.1 IC6.7 IC6.8 J2.P8 J2.P9 NT2.1 R65.1 T4.D
P12V0B: C42.2 IC6.1 IC19.3 NT1.2 NT4.2 R23.2 T4.1 T4.2 T4.3
P_IO0: J2.B1
P_IO1: J2.C1
P_IO2: J2.D1
P_PRES0: J2.D3
P_RST: D16.1 J2.A1 R22.2
PS-ON: R19.1 T1.3
PS_ON_N: D10.1 J2.B3 R9.2
PWRFAIL_N: D14.1 J2.D2 R20.2
RTN_Sense: C39.2 C42.1 IC14.5 IC19.4 J2.A2 R50.2
SCL: J2.B5
SDA: J2.A5
SMPS_PG: R35.2 T2.1
v_adc1: C23.2 R65.2 R72.2
pads on no net: FTG1.FTG2 FTG2.1 FTG3.FTG2 FTG4.1 IC4.1@-15.968,18.897 IC4.2@-14.698,18.897 IC4.7@-8.348,18.897 IC4.11@-12.158,24.297 IC4.13@-14.698,24.297 IC4.14@-15.968,24.297 IC6.2 IC6.3 IC6.6 IC8.4 IC8.5 IC14.8 IC14.12 J2.C2 J2.D5 J4.4 J4.5 LD1.3 LD5.3 LD6.3 LD7.3 LD8.3 R24.1 R33.2 R42.1@-14.858,12.847 R46.2@-16.458,1.097 R47.1@-14.858,7.097 R48.2@-16.458,-10.403 R55.1@-14.858,-16.403 R56.1@-25.503,7.585 R57.1@-25.503,1.835 R58.2@-33.13,0.063 R59.1@-25.953,18.209 R60.1@-37.703,18.209 R68.1 R68.2 RL1.11 RL1.12 RL1.14 RL1.A1 RL1.A2 RL2.11 RL2.12 RL2.14 RL2.A1 RL2.A2

## Polygon pours and split planes (outlines as drawn)
GND on Bottom Layer "GND_L04_P029" (solid, remove dead copper, pour order 29): 160,99.95 0.022,99.95 -0.053,99.875 -0.053,96.943 159.958,96.943 160,96.986
NetR38_2 on Bottom Layer "NETR38_2_L04_P028" (solid, remove dead copper, pour order 28): 0.018,-0.053 0.058,-0.013 160.035,-0.013 160.035,5.552 160,5.587 -0.008,5.587 -0.047,5.547
GND on Layer 2 (split plane): 156.498,0.517 0.519,0.517 0.519,9.007 0.509,9.106 0.48,9.202 0.433,9.29 0.369,9.368 -1.481,11.218 -1.481,89.295 0.369,91.146 0.433,91.223 0.48,91.311 0.509,91.407 0.519,91.507 0.519,99.496 156.498,99.496

## Keep-outs
Keep-Out Layer:
  lines w0.1: 175.265,86.439 ccw(c173.401,86.365) 175.266,86.421
  lines w0.2: 6.5,100 0,100 0,91.5 -2,89.5 -2,11 0,9 0,0 7,0 ; 18.5,0 135.5,0 ; 19,100 135.5,100 ; 145,0 157,0 157,100 ; 145.497,99.997 156.997,99.997

## Other copper
Top Layer:
  text "https://diot-monimod.readthedocs.io/en/latest/" at 173,93 h2.54

## Silkscreen, mask and mechanical layers (free items; w line width, h text height)
Top Overlay:
  text "CPCIS Power Module v1.1" at 82.797,1.524 h3
Bottom Paste:
  text ".Layer_Name" at 168.705,-40.005 h1.91
Bottom Solder:
  rectangle: 0.623,0.603 219.419,2.4
  region: 206.037,51.755 206.037,48.255 220,48.255 220,51.755
  text ".Layer_Name" at 168.705,-37.465 h1.91
Mechanical 1:
  drawing of 312 lines, arcs and shapes, not listed
  text "Layer" at 28.442,184.305 h1.52
  text "Name" at 38.853,184.305 h1.52
  text "Material" at 62.469,184.305 h1.52
  text "Thickness" at 84.307,184.305 h1.52
  text "Constant" at 100.813,184.305 h1.52
  text "Board Layer Stack" at 115.287,184.305 h1.52
  text "Top Overlay" at 38.853,181.257 h1.52
  text "Top Solder" at 38.853,178.209 h1.52
  text "Solder Resist" at 62.469,178.209 h1.52
  text "0.010mm" at 84.307,178.209 h1.52
  text "3.5" at 100.813,178.209 h1.52
  text "1" at 28.442,175.161 h1.52
  text "Top Layer" at 38.853,175.161 h1.52
  text "0.035mm" at 84.307,175.161 h1.52
  text "Dielectric 1" at 38.853,172.113 h1.52
  text "FR-4" at 62.469,172.113 h1.52
  text "0.360mm" at 84.307,172.113 h1.52
  text "4.6" at 100.813,172.113 h1.52
  text "2" at 28.442,169.065 h1.52
  text "Layer 1" at 38.853,169.065 h1.52
  text "CF-004" at 62.469,169.065 h1.52
  text "0.035mm" at 84.307,169.065 h1.52
  text "Dielectric 6" at 38.853,166.017 h1.52
  text "FR-4" at 62.469,166.017 h1.52
  text "0.800mm" at 84.307,166.017 h1.52
  text "4.6" at 100.813,166.017 h1.52
  text "3" at 28.442,162.969 h1.52
  text "Layer 2" at 38.853,162.969 h1.52
  text "CF-004" at 62.469,162.969 h1.52
  text "0.035mm" at 84.307,162.969 h1.52
  text "Dielectric 2" at 38.853,159.921 h1.52
  text "FR-4" at 62.469,159.921 h1.52
  text "0.360mm" at 84.307,159.921 h1.52
  text "4.6" at 100.813,159.921 h1.52
  text "4" at 28.442,156.873 h1.52
  text "Bottom Layer" at 38.853,156.873 h1.52
  text "0.035mm" at 84.307,156.873 h1.52
  text "Bottom Solder" at 38.853,153.825 h1.52
  text "Solder Resist" at 62.469,153.825 h1.52
  text "0.010mm" at 84.307,153.825 h1.52
  text "3.5" at 100.813,153.825 h1.52
  text "Bottom Overlay" at 38.853,150.777 h1.52
Mechanical 2:
  circle w0.006: c10.557,-78.944 r0.003
  circle w0.013: c140.701,80.85 r1.75
  circle w0.013: c24.901,80.85 r1.75
  circle w0.013: c140.701,16.05 r1.75
  circle w0.013: c24.901,16.05 r1.75
  circle w0.013: c155.05,81.07 r0.5
  circle w0.013: c155.05,83.61 r0.5
  circle w0.013: c155.05,78.53 r0.5
  circle w0.013: c152.51,75.99 r0.5
  circle w0.013: c152.51,89.955 r2
  circle w0.013: c152.51,83.61 r0.5
  circle w0.013: c152.51,78.53 r0.5
  circle w0.013: c152.51,81.07 r0.5
  circle w0.013: c155.05,73.45 r0.5
  circle w0.013: c155.05,75.99 r0.5
  circle w0.013: c155.05,68.37 r0.5
  circle w0.013: c155.05,70.91 r0.5
  circle w0.013: c155.05,65.83 r0.5
  circle w0.013: c152.51,73.45 r0.5
  circle w0.013: c155.05,60.11 r0.5
  circle w0.013: c155.05,62.65 r0.5
  circle w0.013: c149.97,81.07 r0.5
  circle w0.013: c149.97,83.61 r0.5
  circle w0.013: c152.51,70.91 r0.5
  circle w0.013: c149.97,78.53 r0.5
  circle w0.013: c149.97,73.45 r0.5
  circle w0.013: c149.97,75.99 r0.5
  circle w0.013: c149.97,68.37 r0.5
  circle w0.013: c149.97,70.91 r0.5
  circle w0.013: c152.51,65.83 r0.5
  circle w0.013: c152.51,68.37 r0.5
  circle w0.013: c152.51,60.11 r0.5
  circle w0.013: c152.51,62.65 r0.5
  circle w0.013: c149.97,62.65 r0.5
  circle w0.013: c149.97,65.83 r0.5
  circle w0.013: c152.51,57.57 r0.5
  circle w0.013: c149.97,60.11 r0.5
  circle w0.013: c155.05,55.03 r0.5
  circle w0.013: c155.05,57.57 r0.5
  circle w0.013: c155.05,49.95 r0.5
  circle w0.013: c155.05,52.49 r0.5
  circle w0.013: c155.05,44.23 r0.5
  circle w0.013: c155.05,46.77 r0.5
  circle w0.013: c155.05,40.42 r0.5
  circle w0.013: c152.51,44.23 r0.5
  circle w0.013: c155.05,34.07 r0.5
  circle w0.013: c155.05,37.88 r0.5
  circle w0.013: c155.05,26.45 r0.5
  circle w0.013: c155.05,31.53 r0.5
  circle w0.013: c155.05,18.83 r0.5
  circle w0.013: c155.05,23.91 r0.5
  circle w0.013: c155.05,16.29 r0.5
  circle w0.013: c152.51,9.945 r2
  circle w0.013: c152.51,37.88 r0.5
  circle w0.013: c152.51,40.42 r0.5
  circle w0.013: c152.51,31.53 r0.5
  circle w0.013: c152.51,34.07 r0.5
  circle w0.013: c152.51,52.49 r0.5
  circle w0.013: c152.51,55.03 r0.5
  circle w0.013: c152.51,46.77 r0.5
  circle w0.013: c152.51,49.95 r0.5
  circle w0.013: c152.51,23.91 r0.5
  circle w0.013: c152.51,26.45 r0.5
  circle w0.013: c152.51,16.29 r0.5
  circle w0.013: c152.51,18.83 r0.5
  circle w0.013: c149.97,23.91 r0.5
  circle w0.013: c149.97,26.45 r0.5
  circle w0.013: c149.97,16.29 r0.5
  circle w0.013: c149.97,18.83 r0.5
  circle w0.013: c147.43,83.61 r0.5
  circle w0.013: c147.43,78.53 r0.5
  circle w0.013: c147.43,81.07 r0.5
  circle w0.013: c147.43,73.45 r0.5
  circle w0.013: c147.43,75.99 r0.5
  circle w0.013: c147.43,68.37 r0.5
  circle w0.013: c147.43,70.91 r0.5
  circle w0.013: c147.43,62.65 r0.5
  circle w0.013: c147.43,65.83 r0.5
  circle w0.013: c149.97,55.03 r0.5
  circle w0.013: c149.97,57.57 r0.5
  circle w0.013: c149.97,49.95 r0.5
  circle w0.013: c149.97,52.49 r0.5
  circle w0.013: c147.43,57.57 r0.5
  circle w0.013: c147.43,60.11 r0.5
  circle w0.013: c147.43,49.95 r0.5
  circle w0.013: c147.43,52.49 r0.5
  circle w0.013: c149.97,44.23 r0.5
  circle w0.013: c149.97,46.77 r0.5
  circle w0.013: c149.97,31.53 r0.5
  circle w0.013: c149.97,40.42 r0.5
  circle w0.013: c147.43,44.23 r0.5
  circle w0.013: c147.43,46.77 r0.5
  circle w0.013: c149.97,34.07 r0.5
  circle w0.013: c149.97,37.88 r0.5
  circle w0.013: c147.43,40.42 r0.5
  circle w0.013: c147.43,55.03 r0.5
  circle w0.013: c147.43,31.53 r0.5
  circle w0.013: c147.43,37.88 r0.5
  circle w0.013: c147.43,34.07 r0.5
  circle w0.013: c147.43,23.91 r0.5
  circle w0.013: c147.43,26.45 r0.5
  circle w0.013: c147.43,16.29 r0.5
  circle w0.013: c147.43,18.83 r0.5
  lines w0.013: 18.243,45.551 19.743,44.051 22.343,44.051 24.343,42.051 24.343,22.058 28.678,17.723 28.678,10.051 29.678,9.051 136.143,9.051 137.143,10.051 137.143,86.251 136.143,87.251 ; 18.243,75.051 20.243,77.051 25.757,77.051 28.343,79.637 28.343,86.251 29.343,87.251
  lines w0.254: -2.53,-11.762 -2.53,114
Mechanical 13:
  text "RPS-400-12 or EPP-400-12" at 67.691,-13.995 h2.54

## Dimensions
0,0 to 3.57,5.55 on Drill Drawing
3.57,5.55 to 0,0 on Drill Drawing

## Text inside footprints (layer, text, board x,y; h text height)
C1: Top Overlay "+" at 129.933,65.249 h1.5 r270
C2: Top Overlay "+" at 133.4,84.164 h1.5 r180
C3: Top Overlay "+" at 137.352,70.103 h1.5 r270
C4: Top Overlay "+" at 103.288,65.427 h1.5 r270
C5: Top Overlay "+" at 112.001,65.249 h1.5 r270
C8: Top Overlay "+" at 120.992,65.196 h1.5 r270
C9: Top Overlay "+" at 133.598,93.079 h1.5 r180
C44: Top Overlay "+" at 57.247,81.939 h3 r180
IC14: Top Overlay "ENA" at 139.85,49.83 h1.2; Top Overlay "AC(L)" at 34.54,28.88 h1.2; Top Overlay "AC(N)" at 34.54,18.88 h1.2; Top Overlay "R" at 63.25,54.87 h1.2; Top Overlay "+BC" at 77,54.87 h1.2; Top Overlay "-BC" at 92,54.87 h1.2; Top Overlay "-VOUT" at 128.09,18.88 h1.2; Top Overlay "+VOUT" at 128.09,28.878 h1.2; Top Overlay "-S" at 139.85,37.85 h1.2; Top Overlay "+S" at 140.1,41.7 h1.2; Top Overlay "TRM" at 139.85,45.676 h1.2; Mechanical 14 "ENA" at 139.85,49.83 h1.2; Mechanical 14 "AC(L)" at 34.54,28.88 h1.2; Mechanical 14 "AC(N)" at 34.54,18.88 h1.2; Mechanical 14 "R" at 63.25,54.87 h1.2; Mechanical 14 "+BC" at 77,54.87 h1.2; Mechanical 14 "-BC" at 92,54.87 h1.2; Mechanical 14 "-VOUT" at 128.09,18.88 h1.2; Mechanical 14 "+VOUT" at 128.09,28.878 h1.2; Mechanical 14 "-S" at 139.85,37.85 h1.2; Mechanical 14 "+S" at 140.1,41.7 h1.2; Mechanical 14 "TRM" at 139.85,45.676 h1.2
IC15: Top Overlay "AC(N)" at 104.419,92.433 h1.2; Top Overlay "-Vo" at 125.357,92.456 h1.2; Top Overlay "+Vo" at 125.357,84.856 h1.2; Top Overlay "AC(L)" at 104.419,77.233 h1.2; Notvisible "3" at 132.332,92.466 h1.2; Notvisible "4" at 132.332,84.966 h1.2; Notvisible "2" at 100.232,77.233 h1.2; Notvisible "1" at 100.332,92.433 h1.2; Mechanical 14 "+Vo" at 125.357,84.856 h1.2; Mechanical 14 "-Vo" at 125.357,92.456 h1.2; Mechanical 14 "AC(N)" at 104.419,92.433 h1.2; Mechanical 14 "AC(L)" at 104.419,77.233 h1.2
J2: Top Overlay "P9" at 140.44,81.825 h1.2; Top Overlay "P3" at 140.053,33.528 h1.2; Top Overlay "P2" at 140.44,24.665 h1.2; Top Overlay "P1" at 140.44,16.965 h1.2; Notvisible "PCB" at 155.94,48.365 h1.2 r90; Bottom Overlay "P7" at 142.821,72.873 h1.2; Bottom Overlay "P8" at 142.523,75.551 h1.2; Bottom Overlay "P6" at 142.523,65.391 h1.2; Bottom Overlay "D6" at 142.777,62.241 h1.2; Bottom Overlay "D5" at 142.777,59.601 h1.2; Bottom Overlay "D4" at 142.777,57.161 h1.2; Bottom Overlay "D3" at 142.777,54.621 h1.2; Bottom Overlay "D2" at 142.777,52.081 h1.2; Bottom Overlay "D1" at 142.777,49.541 h1.2; Bottom Overlay "P5" at 142.777,45.061 h1.2; Bottom Overlay "P4" at 142.777,38.711 h1.2; Mechanical 14 "P1" at 140.44,16.965 h1.2; Mechanical 14 "P2" at 140.44,24.665 h1.2; Mechanical 14 "P3" at 140.44,32.285 h1.2; Mechanical 14 "P4" at 140.44,38.635 h1.2; Mechanical 14 "P5" at 140.44,44.985 h1.2; Mechanical 14 "P6" at 140.44,66.585 h1.2; Mechanical 14 "P7" at 140.44,71.665 h1.2; Mechanical 14 "P8" at 140.44,76.745 h1.2; Mechanical 14 "P9" at 140.44,81.825 h1.2; Mechanical 14 "D1" at 140.44,49.465 h1.2; Mechanical 14 "D2" at 140.44,52.005 h1.2; Mechanical 14 "D3" at 140.44,54.545 h1.2; Mechanical 14 "D4" at 140.44,57.085 h1.2; Mechanical 14 "D5" at 140.44,59.525 h1.2; Mechanical 14 "D6" at 140.44,62.165 h1.2
J4: Top Overlay "L" at 12.493,57.557 h1.5 r90; Top Overlay "N" at 12.518,90.254 h1.5 r90; Notvisible "Must be 2mm" at 9.518,69.279 h1 r90; Notvisible "3D Fuse (5X20) Stand-off Heigh" at 7.543,62.829 h1 r90; Mechanical 14 "L" at 12.493,57.557 h1.5 r90; Mechanical 14 "N" at 12.518,90.254 h1.5 r90